# Altium PCB PCB1.PcbDoc (part 2 of 2)
Units mm, origin at the board's own origin, x right, y up, seen from the top; angles counter-clockwise.
Board outline 100.02 x 88.6 mm, 2 copper layers (Top Layer, Bottom Layer); 204 components, 155 nets, 587 pads, 167 vias.
Unrouted connection lines stored in the file: 67.
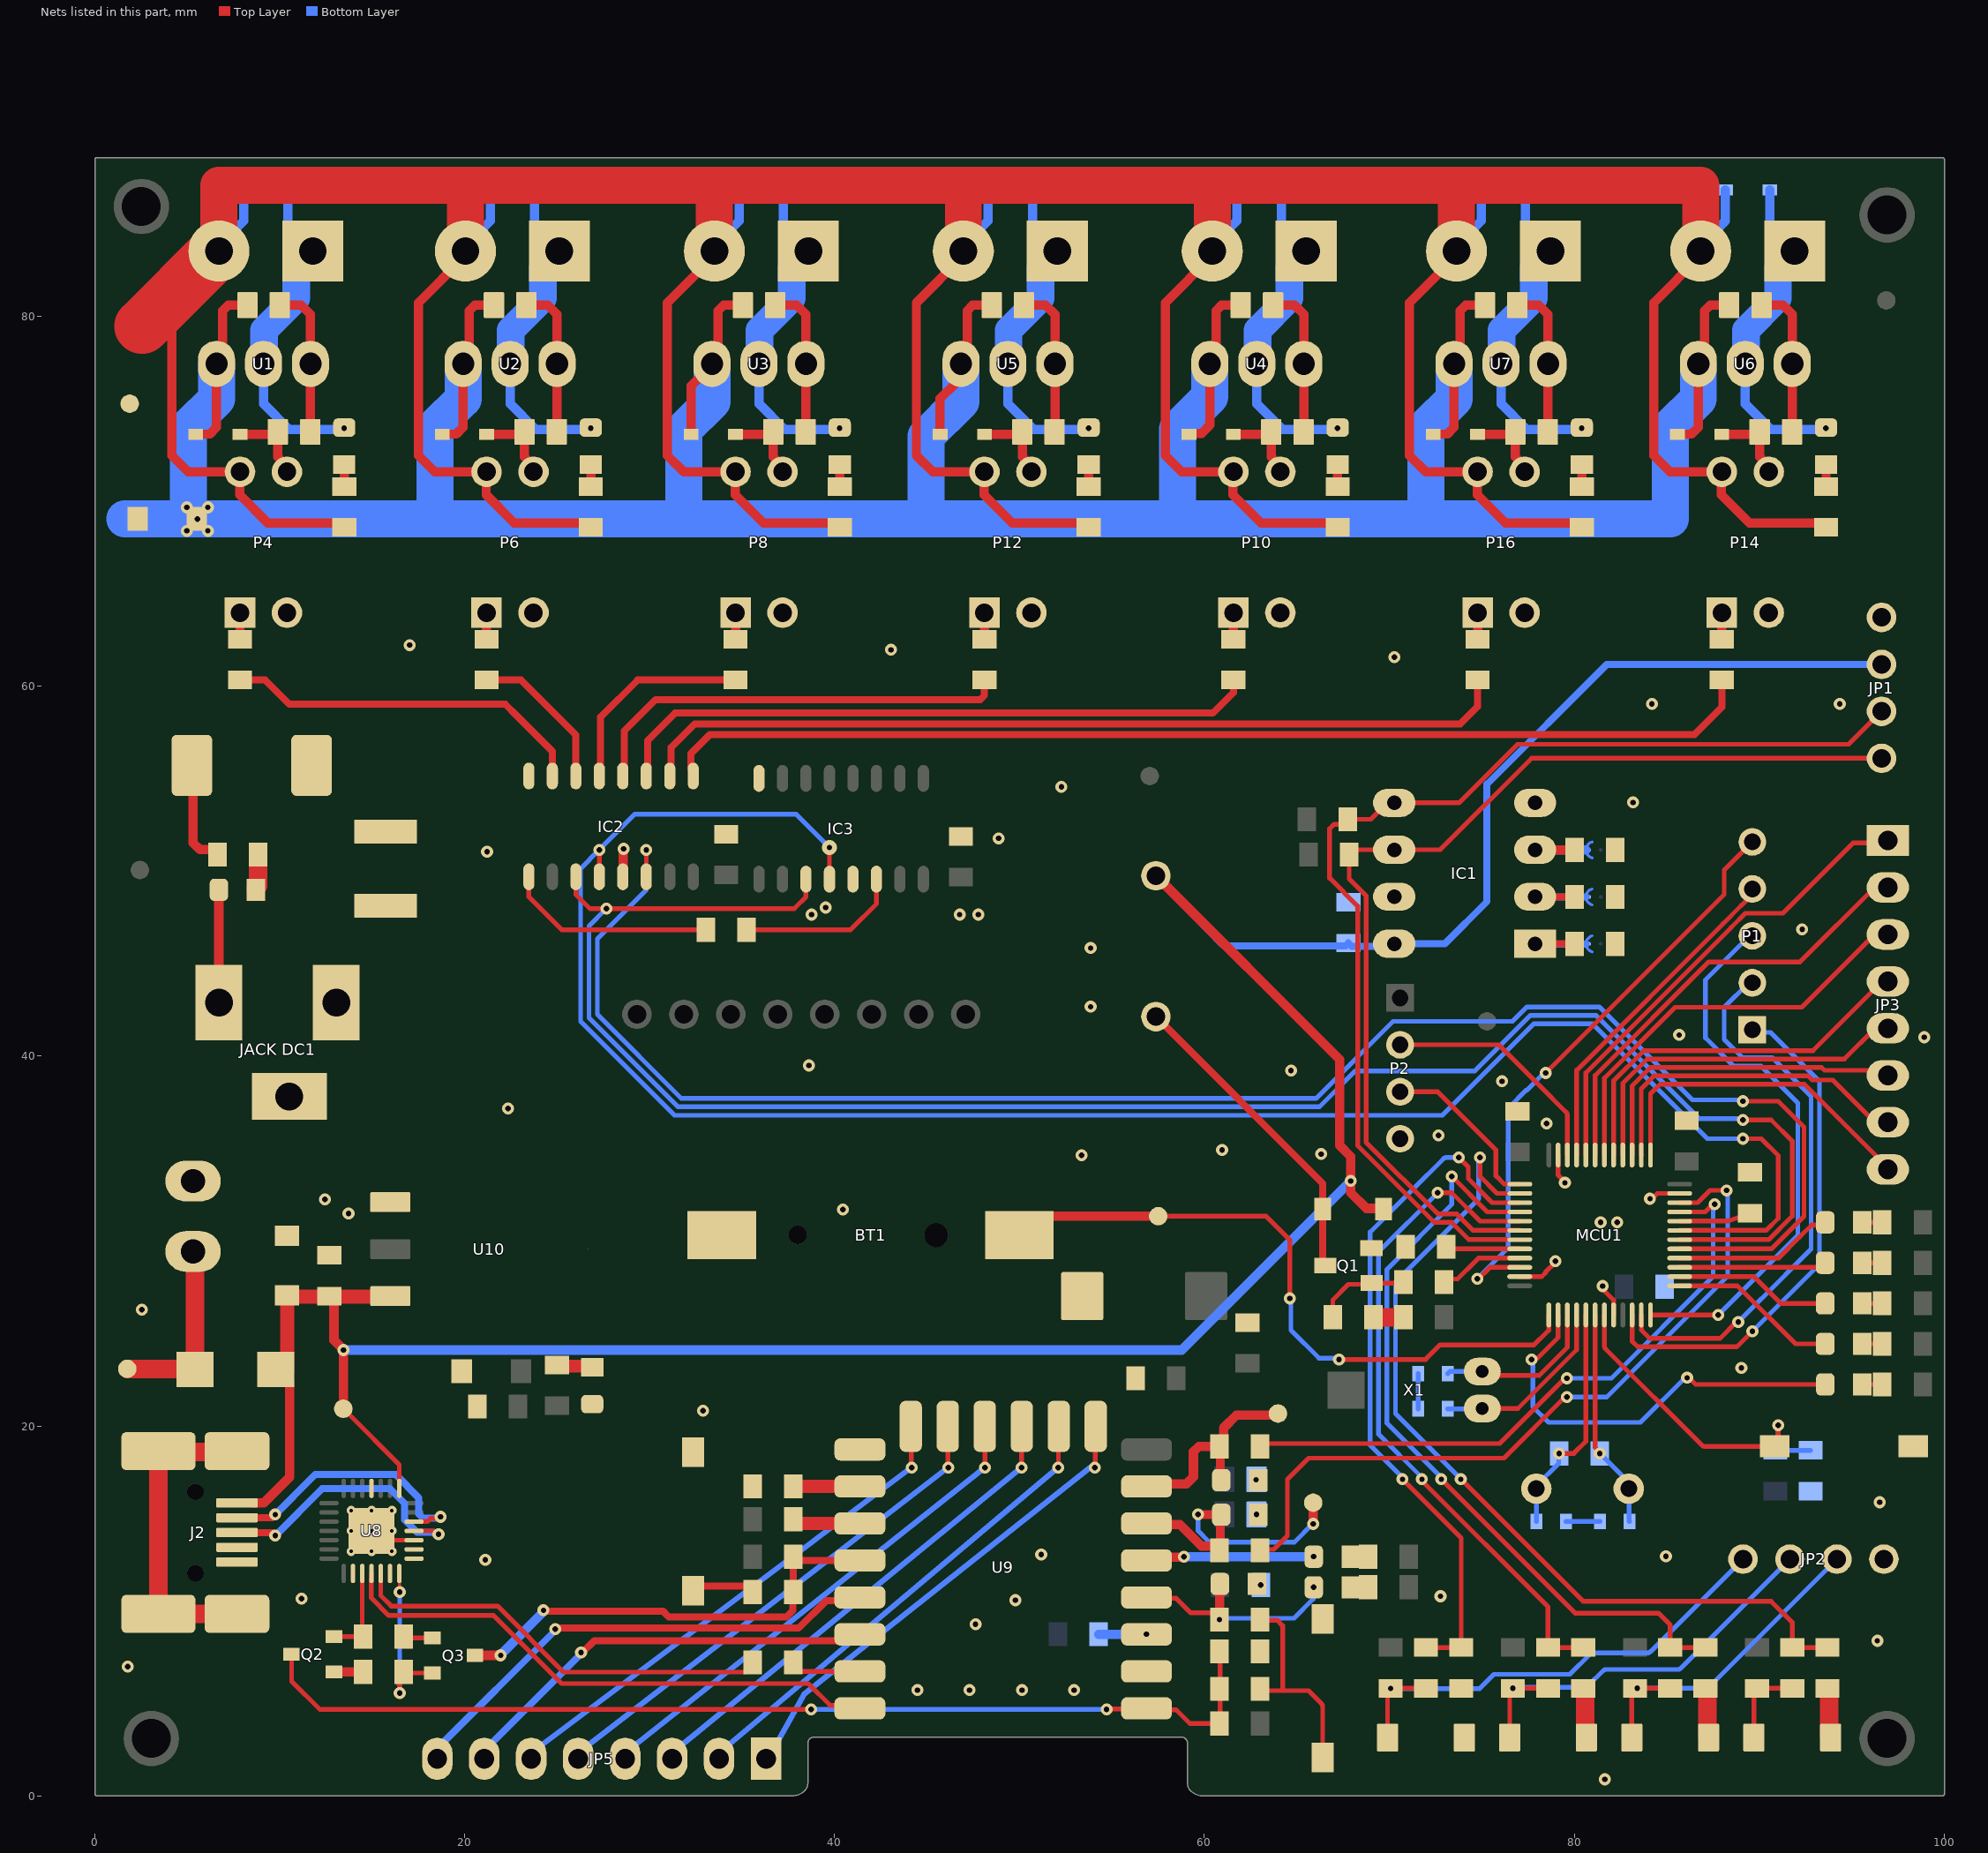
[diagram p2: the nets of this part, all layers, seen from the top]

## Via types
v1: diameter 0.65, hole 0.3, Top Layer to Bottom Layer, tented both sides, 145 vias
v2: diameter 1, hole 0.5, Top Layer to Bottom Layer, 12 vias
v3: diameter 0.5, hole 0.2, Top Layer to Bottom Layer, tented both sides, 9 vias
v4: diameter 0.8/0.8 (per signal layer), hole 0.3, Top Layer to Bottom Layer, tented both sides, 1 vias

## Nets (pads, with @x,y where several pads share a name; then routed paths per layer and width w, separated by ;. In a path a pad name is that pad's centre, name@x,y a point inside that pad or via, vN(x,y) a via of type N, cw(c..) or ccw(c..) an arc to the next point about the centre after c; other vN are vias at no path point) (continued)
+12: C25.1 D2.2 D3.2 D6.2 D8.2 D10.2 D12.2 D13.2 D17.2 J8.1 P3.2 P4.4 P5.2 P6.4 P7.2 P8.4 P9.2 P10.4 P11.2 P12.4 P13.2 P14.4 P15.2 P16.4 R27.2 R30.2 R35.2 R39.2 R44.2 R47.2 R50.2 R73.2 | length 308
  Top Layer w0.5: D17.2@5.244,55.726 5.307,55.663 5.307,51.535 5.676,51.167 6.37,51.167 6.62,50.917 R73.2@6.62,50.9 ; P3.2@6.704,83.539 6.704,83.285 4.164,80.745 4.164,72.49 5.053,71.601 P4.4@7.847,71.601 7.826,71.58 7.826,70.353 9.349,68.829 R27.2@13.485,68.829 ; P5.2@20.039,83.285 17.499,80.745 17.499,72.49 18.388,71.601 P6.4@21.182,71.601 21.161,71.58 21.161,70.353 22.684,68.829 R30.2@26.82,68.829 ; P7.2@33.501,83.285 30.961,80.745 30.961,72.49 31.85,71.601 P8.4@34.644,71.601 34.623,71.58 34.623,70.353 36.146,68.829 R35.2@40.282,68.829 ; P11.2@46.963,83.285 44.423,80.745 44.423,72.49 45.312,71.601 P12.4@48.106,71.601 48.085,71.58 48.085,70.353 49.608,68.829 R44.2@53.744,68.829 ; P9.2@60.425,83.285 57.885,80.745 57.885,72.49 58.774,71.601 P10.4@61.568,71.601 61.547,71.58 61.547,70.353 63.07,68.829 R39.2@67.206,68.829 ; P15.2@73.633,83.285 71.093,80.745 71.093,72.49 71.982,71.601 P16.4@74.776,71.601 74.755,71.58 74.755,70.353 76.278,68.829 R50.2@80.414,68.829 ; P13.2@86.841,83.285 84.301,80.745 84.301,72.49 85.19,71.601 P14.4@87.984,71.601 87.963,71.58 87.963,70.353 89.486,68.829 R47.2@93.622,68.829
  Top Layer w2: P3.2@6.704,83.539 6.704,87.095 20.039,87.095 ; P5.2@20.039,83.539 20.039,87.095 ; P7.2@33.501,83.539 33.501,87.095 ; P11.2@46.963,83.539 46.963,87.095 ; P9.2@60.425,83.539 60.425,87.095 ; P15.2@73.633,83.539 73.633,87.095 ; P13.2@86.841,83.539 86.841,87.095 73.633,87.095 ; 20.039,87.095 33.501,87.095 ; 33.501,87.095 46.963,87.095 ; 46.963,87.095 60.425,87.095 ; 60.425,87.095 73.633,87.095
  Top Layer w3: 2.558,79.475 6.622,83.539 P3.2@6.704,83.539
  Bottom Layer w0.5: P3.2@6.704,83.539 6.704,83.841 8.044,85.181 D2.2@8.044,86.841 ; P5.2@20.039,83.539 20.039,83.841 21.379,85.181 D3.2@21.379,86.841 ; P7.2@33.501,83.539 33.501,83.841 34.841,85.181 D6.2@34.841,86.841 ; P11.2@46.963,83.539 46.963,83.841 48.303,85.181 D10.2@48.303,86.841 ; P9.2@60.425,83.539 60.425,83.841 61.765,85.181 D8.2@61.765,86.841 ; P15.2@73.633,83.539 73.633,83.841 74.973,85.181 D13.2@74.973,86.841 ; P13.2@86.841,83.539 86.841,83.841 88.181,85.181 D12.2@88.181,86.841
ACTIVE: U8.11
ADC: U9.2
BT1: C8.1 MCU1.39 R22.2 | length 37.5
  Top Layer w0.254: v1(70.712,17.118) 73.057,14.773 73.887,13.943 73.887,12.77 C8.1@73.887,8.015 R22.2@71.982,8.015 ; v1(73.76,34.517) 74.268,34.009 74.268,33.374 75.566,32.076 MCU1.39@77.055,32.076
  Bottom Layer w0.254: v1(70.712,17.118) 70.712,17.215 68.969,18.958 68.969,30.488 71.294,32.814 72.923,34.442 cw(c73.103,34.263) 73.102,34.517 73.103,34.517 v1(73.76,34.517)
BT2: C14.1 MCU1.41 R25.2 | length 36.6
  Top Layer w0.254: v1@71.732,17.068 78.586,10.214 R25.2@78.586,8.015 C14.1@80.491,8.015 ; v1(72.617,32.612) 73.379,32.612 74.915,31.076 MCU1.41@77.055,31.076
  Bottom Layer w0.254: v1@71.705,17.106 71.705,17.272 69.423,19.554 69.423,29.418 v1(72.617,32.612)
  other v1: 71.763,17.118
BT3: C7.1 MCU1.40 R21.2 | length 42.4
  Top Layer w0.254: v1(72.813,17.118) 80.052,9.879 84.555,9.879 85.024,9.41 85.026,9.409 85.19,9.244 85.19,9.012 R21.2@85.19,8.015 C7.1@87.095,8.015 ; v1(73.379,33.501) 75.304,31.576 MCU1.40@77.055,31.576
  Bottom Layer w0.254: v1@72.745,16.993 72.745,17.283 69.877,20.151 69.877,28.475 73.379,31.977 v1(73.379,33.501)
BT_USER: C15.1 MCU1.38 R26.2 | length 48.6
  Top Layer w0.254: v1@73.991,17.014 80.491,10.514 90.651,10.514 91.719,9.447 91.794,9.371 91.794,9.266 R26.2@91.794,8.015 C15.1@93.699,8.015 ; v1(74.903,34.517) 74.903,33.501 75.828,32.576 MCU1.38@77.055,32.576
  Bottom Layer w0.254: v1@73.887,17.118 73.254,17.751 73.254,17.757 73.03,17.981 73.024,17.981 70.331,20.674 70.331,27.786 74.835,32.29 74.835,34.449 v1(74.903,34.517)
  other v1: 73.864,17.118
BUZZER: MCU1.45 R14.2 | length 4.6
  Top Layer w0.254: R14.2@72.955,27.786 73.115,27.946 73.687,27.946 74.668,28.927 74.669,28.928 74.818,29.076 75.028,29.076 MCU1.45@77.055,29.076
CLK: IC2.11 IC3.11 MCU1.18 | length 103.9
  Top Layer w0.254: IC2.11@26.008,49.699 26.008,48.741 26.77,47.979 v1(27.659,47.979) 37.819,47.979 38.454,48.614 IC3.11@38.454,49.572 ; MCU1.18@85.705,30.076 90.521,30.076 91.794,31.349 91.794,35.406 90.651,36.549 v1(89.127,36.549)
  Bottom Layer w0.254: v1(27.659,47.979) 26.716,47.036 26.716,42.071 31.53,37.257 66.22,37.257 68.167,39.204 74.63,39.204 77.636,42.21 81.173,42.21 86.766,36.617 89.059,36.617 v1(89.127,36.549)
CTS: U8.23
D_N: J2.2 U8.5 | length 14.8
  Top Layer w0.152: v1@18.588,15.086 v1(18.697,15.086) v1@18.609,14.998
  Top Layer w0.254: U8.5@17.626,14.832 17.979,14.832 18.145,14.998 v1@18.609,14.998
  Top Layer w0.381: J2.2@7.708,15.062 J2.2@7.684,15.038 9.581,15.038 v1(9.752,15.21)
  Bottom Layer w0.381: v1(9.752,15.21) 11.724,17.182 11.915,17.372 16.263,17.372 17.516,16.12 17.516,15.242 17.739,15.019 18.448,15.019 18.471,15.042 18.653,15.042 v1(18.697,15.086)
D_P: J2.3 U8.4 | length 15
  Top Layer w0.254: U8.4@17.259,14.324 17.261,14.322 18.308,14.322 18.488,14.143 v1(18.584,14.143)
  Top Layer w0.381: J2.3@7.684,14.238 9.581,14.238 v1(9.752,14.067)
  Bottom Layer w0.381: v1(9.752,14.067) 12.296,16.61 15.947,16.61 16.754,15.804 16.754,14.926 17.423,14.257 18.286,14.257 18.357,14.186 18.54,14.186 v1(18.584,14.143)
DATA: IC2.14 MCU1.17 | length 96.2
  Top Layer w0.254: IC2.14@29.818,49.068 IC2.14@29.818,49.699 v1(29.818,51.154) ; MCU1.17@85.705,29.576 90.663,29.576 92.429,31.342 92.429,36.168 91.032,37.565 v1(89.127,37.565)
  Bottom Layer w0.254: v1(29.818,51.154) 29.818,48.995 27.17,46.347 27.17,42.259 31.718,37.711 66.032,37.711 70.204,41.883 76.667,41.883 77.448,42.664 81.361,42.664 86.392,37.633 89.059,37.633 v1(89.127,37.565)
DCD: U8.1
DSR: U8.27
DTR: Q3.2 R56.2 U8.28 | length 9.8
  Top Layer w0.152: U8.28@16.459,12.024 16.471,12.012 16.471,11.034 v1(16.483,11.022)
  Top Layer w0.254: R56.2@16.415,6.059 16.415,6.425 R56.2@16.694,6.704 ; v1(16.483,5.561) 16.483,6.181 16.773,6.471 16.895,6.471 17.067,6.643 Q3.2@18.254,6.643
  Bottom Layer w0.254: v1(16.483,5.561) v1(16.483,11.022)
EN: R65.2 U9.3 | length 2.6
  Bottom Layer w0.508: R65.2@54.286,8.736 v1(56.869,8.736)
GND: BT1.2 C1.1 C2.1 C3.1 C4.1 C5.1 C6.2 C7.2 C8.2 C9.1 C10.1 C11.1 C12.1 C13.1 C14.2 C15.2 C16.2 C17.2 C18.1 C19.1 C20.2 C21.2 C22.2 C23.2 C24.2 IC1.4 IC1.7 IC2.8 IC2.13 IC3.8 IC3.13 J2.4 J2.5 J2.MH1 J2.MH2 J2.MH3 J2.MH4 JP1.4 JP2.4 L18.2 MCU1.8 MCU1.23 MCU1.35 MCU1.47 P2.4 P4.2 P6.2 P8.2 P10.2 P12.2 P14.2 P16.2 P17.2 Q1.3 R8.1 R9.1 R10.1 R12.2 R15.2 R18.1 R67.1 SW1.2 SW2.2 SW3.2 SW4.2 SW5.2 SW6.1 SW7.1 U8.3 U8.29 U9.15 U10.1 | length 46.9
  Top Layer w0.152: MCU1.8@82.128,26.003 MCU1.8@82.13,26.001
  Top Layer w0.254: v3(14.959,14.324) 15.459,13.824 U8.3@17.259,13.824 ; MCU1.47@77.055,28.076 77.057,28.078 78.243,28.078 78.456,28.291 78.456,28.322 78.967,28.833 v1@78.967,28.929 ; MCU1.35@79.13,34.651 79.132,34.649 79.132,33.56 79.475,33.217 v1@79.475,33.12 ; v1@81.507,27.532 81.507,27.436 82.128,26.815 MCU1.8@82.128,26.003 ; v1@84.074,32.258 84.181,32.258 84.498,32.574 85.703,32.574 MCU1.23@85.705,32.576
  Top Layer w0.508: J2.MH4@3.434,18.638 J2.MH3@7.684,18.638 ; IC2.13@28.548,49.699 28.562,49.713 28.562,51.168 v1@28.575,51.181
  Top Layer w1: J2.MH4@3.434,18.638 J2.MH1@3.434,9.838 J2.MH2@7.684,9.838 ; J2.MH4@3.438,18.601 J2.MH3@7.688,18.601 ; R15.2@69.145,25.881 C9.1@70.755,25.881 ; C14.2@80.491,5.815 80.59,5.815 80.59,3.22 SW4.2@80.661,3.148 SW4.2@80.618,3.105 ; C7.2@87.095,5.815 87.194,5.815 87.194,3.22 SW2.2@87.265,3.148 ; C15.2@93.699,5.815 93.798,5.815 93.798,3.22 SW5.2@93.869,3.148
  Bottom Layer w0.254: C3.1@71.563,20.928 C2.1@71.563,22.833 ; C4.1@79.56,14.832 C5.1@81.389,14.832
  other v1: 81.661,0.889 44.477,5.715 47.304,5.715 50.132,5.715 52.959,5.715 1.778,6.985 96.393,8.382 47.625,9.271 49.781,10.575 11.176,10.668 72.771,10.795 21.11,12.759 84.963,12.954 51.175,13.044 96.52,15.875 32.893,20.828 89.041,23.142 2.54,26.289 81.531,27.564 78.991,28.913 81.43,31.02 82.319,31.02 13.716,31.496 40.456,31.701 12.446,32.258 84.097,32.29 79.499,33.152 53.355,34.647 66.317,34.703 60.96,34.925 72.667,35.719 78.509,36.354 22.342,37.174 76.096,38.64 64.685,39.219 38.608,39.497 98.933,41.021 85.678,41.146 53.848,42.672 53.848,45.847 92.329,46.863 38.758,47.657 46.765,47.657 47.775,47.657 39.52,48.038 21.209,51.054 28.598,51.213 48.87,51.778 83.185,53.721 52.27,54.567 84.201,59.055 94.361,59.055 70.277,61.584 43.053,61.976 17.018,62.23
  other v3: 13.859,13.224 14.959,13.224 16.059,13.224 13.859,14.324 16.059,14.324 13.859,15.424 14.959,15.424 16.059,15.424
GPIO0: Q3.3 R62.2 R63.2 U9.18 | length 25
  Top Layer w0.381: v1(24.257,10.033) 24.308,9.982 30.724,9.982 31.045,9.661 37.391,9.661 37.754,10.024 37.754,11 R62.2@37.776,11.022 R63.2@37.776,12.728 ; R63.2@37.776,12.878 37.926,12.728 U9.18@41.372,12.728
  Top Layer w0.508: Q3.3@20.554,7.593 v1(21.944,7.593)
  Bottom Layer w0.508: v1(21.944,7.593) 21.944,7.632 24.23,9.918 24.23,10.006 v1(24.257,10.033)
GPIO2: R64.2 U9.17 | length 3.7
  Top Layer w0.7: R64.2@37.776,14.959 37.776,14.878 37.926,14.728 U9.17@41.372,14.728
GPIO4: JP5.8 U9.19 | length 26.8
  Top Layer w0.381: v1(24.892,9.017) 24.938,9.063 38.059,9.063 39.552,10.556 41.2,10.556 U9.19@41.372,10.728
  Bottom Layer w0.381: JP5.8@18.515,2.005 18.515,2.567 24.892,8.944 v1(24.892,9.017)
GPIO5: JP5.7 U9.20 | length 23.4
  Top Layer w0.381: v1(26.289,7.747) 26.362,7.747 27.001,8.386 41.03,8.386 U9.20@41.372,8.728
  Bottom Layer w0.381: JP5.7@21.055,2.005 21.055,2.44 26.289,7.674 v1(26.289,7.747)
GPIO14: L15.2 U9.5 | length 9.1
  Top Layer w0.508: U9.5@56.872,12.728 57.052,12.908 58.882,12.908 v1(58.901,12.927)
  Bottom Layer w0.508: v1(58.901,12.927) 58.905,12.932 65.904,12.932 v1(65.908,12.936)
GPIO15: R67.2 U9.16 | length 3.6
  Top Layer w0.7: R67.2@37.776,16.737 37.781,16.733 41.368,16.733 U9.16@41.372,16.728
GPIO16: L13.2 L14.2 R60.2 U9.4 | length 12.3
  Top Layer w0.254: U9.4@56.872,10.728 56.918,10.682 58.479,10.682 59.271,9.89 R60.2@60.838,9.89
  Top Layer w0.5: R60.2@60.838,9.89 L13.2@60.838,11.453 L13.2@60.838,11.657
  Bottom Layer w0.254: v1(60.811,9.53) 60.88,9.598 64.843,9.598 65.886,10.641 65.886,11.263 v1(65.908,11.285)
IO_9: JP5.1 U9.9 | length 26.3
  Top Layer w0.254: v1(54.075,17.753) 54.099,17.777 54.099,19.955 U9.9@54.122,19.978
  Bottom Layer w0.305: JP5.1@36.295,2.005 36.968,2.996 38.347,5.489 38.349,5.491 53.859,17.778 v1(54.075,17.753)
IO_10: JP5.2 U9.10 | length 26.5
  Top Layer w0.254: v1(52.094,17.753) 52.108,17.767 52.108,19.964 U9.10@52.122,19.978
  Bottom Layer w0.305: JP5.2@33.755,2.005 33.755,2.323 v1(52.094,17.753)
IO_11: JP5.3 U9.11 | length 26.9
  Top Layer w0.254: v1(50.113,17.753) 50.117,17.758 50.117,19.974 U9.11@50.122,19.978
  Bottom Layer w0.305: JP5.3@31.215,2.005 31.215,2.323 v1(50.113,17.753)
IO_12: JP5.4 U9.12 | length 27.4
  Top Layer w0.254: U9.12@48.122,19.978 48.127,19.974 48.127,17.758 v1(48.131,17.753)
  Bottom Layer w0.305: JP5.4@28.675,2.005 28.675,2.323 v1(48.131,17.753)
IO_13: JP5.5 U9.13 | length 27.8
  Top Layer w0.254: U9.13@46.122,19.978 46.136,19.964 46.136,17.767 v1(46.15,17.753)
  Bottom Layer w0.305: JP5.5@26.135,2.005 26.135,2.323 v1(46.15,17.753)
IO_14: JP5.6 U9.14 | length 28.3
  Top Layer w0.254: U9.14@44.122,19.978 44.146,19.955 44.146,17.777 v1(44.169,17.753)
  Bottom Layer w0.305: JP5.6@23.595,2.005 23.595,2.323 v1(44.169,17.753)
K1: JP3.1 MCU1.32 | length 26
  Top Layer w0.254: MCU1.32@80.63,34.651 80.63,39.094 88.504,46.968 88.504,46.975 89.254,47.725 91.286,47.725 95.096,51.535 96.838,51.535 JP3.1@96.965,51.662
K2: JP3.2 MCU1.31 | length 24.3
  Top Layer w0.254: MCU1.31@81.13,34.651 81.13,38.952 87.276,45.098 92.217,45.098 96.242,49.122 JP3.2@96.965,49.122
K3: JP3.3 MCU1.30 | length 22.7
  Top Layer w0.254: MCU1.30@81.63,34.651 81.632,34.653 81.632,38.812 85.465,42.645 92.305,42.645 96.242,46.582 JP3.3@96.965,46.582
K4: JP3.4 MCU1.29 | length 21.1
  Top Layer w0.254: MCU1.29@82.13,34.651 82.13,38.668 83.759,40.297 88.726,40.297 88.727,40.296 90.543,40.296 90.544,40.297 92.912,40.297 96.658,44.042 JP3.4@96.965,44.042
K5: JP3.5 MCU1.28 | length 19.4
  Top Layer w0.254: MCU1.28@82.63,34.651 82.632,34.653 82.632,38.528 83.947,39.843 88.538,39.843 88.539,39.842 90.731,39.842 90.732,39.843 94.61,39.843 96.269,41.502 JP3.5@96.965,41.502
K6: JP3.6 MCU1.27 | length 18.2
  Top Layer w0.254: MCU1.27@83.13,34.651 83.13,38.384 84.135,39.389 88.35,39.389 88.351,39.388 90.919,39.388 90.92,39.389 93.381,39.389 93.541,39.23 96.697,39.23 JP3.6@96.965,38.962
K7: JP3.7 MCU1.26 | length 18.3
  Top Layer w0.254: MCU1.26@83.63,34.651 83.628,34.653 83.628,38.24 84.323,38.935 88.162,38.935 88.163,38.934 91.107,38.934 91.108,38.935 92.642,38.935 92.872,38.705 93.986,38.705 96.269,36.422 JP3.7@96.965,36.422
K8: JP3.8 MCU1.25 | length 17.8
  Top Layer w0.254: MCU1.25@84.128,35.199 84.128,37.96 84.65,38.481 87.974,38.481 87.975,38.48 91.295,38.48 91.296,38.481 92.454,38.481 96.965,33.97 JP3.8@96.965,33.882
LAT: IC2.12 IC3.12 MCU1.19 | length 107.7
  Top Layer w0.254: IC2.12@27.278,49.699 v1(27.278,51.154) ; IC3.12@39.724,49.572 v4(39.724,51.281) ; MCU1.19@85.705,30.576 90.379,30.576 91.032,31.229 91.032,34.623 90.121,35.533 v1(89.127,35.533)
  Bottom Layer w0.254: v4(39.724,51.281) 37.919,53.086 29.21,53.086 v1(27.278,51.154) 26.262,50.138 26.262,41.883 31.342,36.803 72.871,36.803 77.824,41.756 80.985,41.756 87.208,35.533 v1(89.127,35.533)
LED_BUTTON: L1.2 MCU1.2 | length 23
  Top Layer w0.254: v1(77.697,23.595) 77.765,23.663 78.019,23.663 79.128,24.772 79.128,25.999 MCU1.2@79.13,26.001 ; v1(86.106,22.606) 86.213,22.606 86.571,22.248 L1.2@93.58,22.248
  Bottom Layer w0.254: v1(77.697,23.595) 77.765,23.527 77.765,21.041 78.613,20.193 83.586,20.193 85.999,22.606 v1(86.106,22.606)
LED_KEY: L2.2 MCU1.14 | length 8.5
  Top Layer w0.254: MCU1.14@85.705,28.076 89.726,28.076 91.173,26.63 L2.2@93.574,26.63
LED_RESULT: L5.2 MCU1.15 | length 8
  Top Layer w0.254: MCU1.15@85.705,28.576 93.33,28.576 L5.2@93.574,28.821
LED_STATE: L3.2 MCU1.13 | length 9.2
  Top Layer w0.254: MCU1.13@85.705,27.576 88.829,27.576 91.966,24.439 L3.2@93.574,24.439
LED_USER: L4.2 MCU1.16 | length 8.7
  Top Layer w0.254: MCU1.16@85.705,29.076 91.052,29.076 92.2,30.224 92.848,30.872 93.441,30.872 L4.2@93.58,31.011
LOAD_1: IC2.1 R49.2 | length 60
  Top Layer w0.381: IC2.1@32.358,55.149 32.358,55.634 32.231,55.507 32.231,56.361 33.26,57.39 86.504,57.39 87.984,58.871 R49.2@87.984,60.566
LOAD_2: IC2.2 R53.2 | length 47.8
  Top Layer w0.381: IC2.2@31.088,55.149 31.13,55.191 31.13,55.771 31.16,55.801 31.16,56.687 32.444,57.971 73.846,57.971 74.776,58.901 R53.2@74.776,60.566
LOAD_3: IC2.3 R41.2 | length 35.6
  Top Layer w0.381: IC2.3@29.818,55.149 29.89,55.221 29.89,57.068 31.374,58.552 60.457,58.552 61.568,59.663 R41.2@61.568,60.566
LOAD_4: IC2.4 R45.2 | length 23.8
  Top Layer w0.381: IC2.4@28.548,55.149 28.62,55.221 28.62,57.576 30.326,59.282 47.883,59.282 48.106,59.506 R45.2@48.106,60.566
LOAD_5: IC2.5 R36.2 | length 11.3
  Top Layer w0.381: IC2.5@27.278,55.149 27.35,55.221 27.35,58.338 29.353,60.341 R36.2@34.644,60.341
LOAD_6: IC2.6 R32.2 | length 8.3
  Top Layer w0.381: R32.2@21.182,60.341 23.044,60.341 26.008,57.377 IC2.6@26.008,55.149
LOAD_7: IC2.7 R28.2 | length 19.8
  Top Layer w0.381: R28.2@7.847,60.341 9.201,60.341 10.514,59.028 22.198,59.028 22.829,58.397 24.738,56.488 IC2.7@24.738,55.149
NetBT1_1: BT1.1 J1.1 MCU1.1 | length 36.6
  Top Layer w0.254: J1.1@57.504,31.342 63.346,31.342 64.616,30.072 v1(64.616,26.897) ; v1(67.283,23.595) 71.963,23.595 72.752,24.384 77.829,24.384 78.481,25.036 78.63,25.185 MCU1.1@78.63,26.001
  Top Layer w0.508: BT1.1@50.002,30.326 51.018,31.342 J1.1@57.504,31.342
  Bottom Layer w0.254: v1(64.616,26.897) 64.684,26.829 64.684,25.178 66.199,23.663 67.215,23.663 v1(67.283,23.595)
NetC2_2: C2.2 MCU1.3 X1.2 | length 8.4
  Top Layer w0.254: X1.2@75.03,22.944 75.241,22.733 78.105,22.733 79.63,24.258 MCU1.3@79.63,25.453
  Bottom Layer w0.254: C2.2@73.163,22.833 73.274,22.944 X1.2@75.03,22.944
NetC3_2: C3.2 MCU1.4 X1.1 | length 9.6
  Top Layer w0.254: X1.1@75.03,20.944 76.958,20.944 80.13,24.116 MCU1.4@80.13,25.453
  Bottom Layer w0.254: C3.2@73.163,20.928 75.014,20.928 X1.1@75.03,20.944
NetC4_2: C4.2 MCU1.5 R11.2 X2.2 | length 12.8
  Top Layer w0.254: v1(79.184,18.515) 79.983,18.515 80.63,19.162 80.63,20.095 MCU1.5@80.63,26.001
  Bottom Layer w0.254: C4.2@77.96,14.832 77.956,14.837 77.956,16.606 X2.2@77.951,16.61 77.951,16.767 79.165,17.981 79.165,18.496 v1(79.184,18.515)
NetC5_2: C5.2 MCU1.6 R11.1 X2.1 | length 11.9
  Top Layer w0.254: MCU1.6@81.13,26.001 81.13,19.328 81.13,18.842 81.384,18.588 v1(81.384,18.515)
  Bottom Layer w0.254: v1(81.384,18.515) 82.951,16.948 X2.1@82.951,16.61 82.97,16.591 82.97,14.851 C5.2@82.989,14.832
NetC6_1: C6.1 MCU1.7 R13.1 SW1.1 | length 17.8
  Top Layer w0.254: MCU1.7@81.63,26.001 81.63,24.338 ccw(c81.884,24.34) 81.703,24.161 86.894,18.971 ccw(c87.073,19.15) 87.073,18.896 SW1.1@90.838,18.896 91.032,19.09 v1(91.032,20.039)
  Bottom Layer w0.254: R13.1@90.884,18.68 91.032,18.828 v1(91.032,20.039) ; R13.1@90.973,19.053 91.346,18.68 91.375,18.68 C6.1@92.789,18.68
NetD1_1: D1.1 LS1.2 Q1.2 | length 17.3
  Top Layer w0.381: LS1.2@57.377,42.137 66.405,33.109 D1.1@66.405,31.723 66.405,28.811 Q1.2@66.541,28.675
NetD2_1: D2.1 L6.2 P3.1 U1.2 | length 18.2
  Bottom Layer w0.5: U1.2@9.151,77.477 U1.2@9.117,77.443 9.117,75.284 10.514,73.887 13.399,73.887 v1(13.475,73.964) ; D2.1@10.444,86.841 10.444,84.879 P3.1@11.784,83.539
  Bottom Layer w1.5: U1.2@9.151,77.477 9.151,79.255 10.883,80.987 10.883,82.638 P3.1@11.784,83.539
NetD3_1: D3.1 L7.2 P5.1 U2.2 | length 18.2
  Bottom Layer w0.5: U2.2@22.486,77.477 U2.2@22.452,77.443 22.452,75.284 23.849,73.887 26.734,73.887 v1(26.81,73.964) ; D3.1@23.779,86.841 23.779,84.879 P5.1@25.119,83.539
  Bottom Layer w1.5: U2.2@22.486,77.477 22.486,79.255 24.218,80.987 24.218,82.638 P5.1@25.119,83.539
NetD4_2: D4.2 P4.3 R29.2 | length 4.5
  Top Layer w0.5: D4.2@7.847,73.633 9.766,73.633 R29.2@9.893,73.76 9.893,72.407 10.387,71.913 P4.3@10.387,71.601
NetD5_2: D5.2 P6.3 R33.2 | length 4.5
  Top Layer w0.5: D5.2@21.182,73.633 23.101,73.633 R33.2@23.228,73.76 23.228,72.407 23.722,71.913 P6.3@23.722,71.601
NetD6_1: D6.1 L8.2 P7.1 U3.2 | length 18.2
  Bottom Layer w0.5: U3.2@35.948,77.477 U3.2@35.914,77.443 35.914,75.284 37.311,73.887 40.196,73.887 v1(40.272,73.964) ; D6.1@37.241,86.841 37.241,84.879 P7.1@38.581,83.539
  Bottom Layer w1.5: U3.2@35.948,77.477 35.948,79.255 37.68,80.987 37.68,82.638 P7.1@38.581,83.539
NetD7_2: D7.2 P8.3 R37.2 | length 4.5
  Top Layer w0.5: D7.2@34.644,73.633 36.563,73.633 R37.2@36.69,73.76 36.69,72.407 37.184,71.913 P8.3@37.184,71.601
NetD8_1: D8.1 L9.2 P9.1 U4.2 | length 18.2
  Bottom Layer w0.5: U4.2@62.872,77.477 U4.2@62.838,77.443 62.838,75.284 64.235,73.887 67.12,73.887 v1(67.196,73.964) ; D8.1@64.165,86.841 64.165,84.879 P9.1@65.505,83.539
  Bottom Layer w1.5: U4.2@62.872,77.477 62.872,79.255 64.604,80.987 64.604,82.638 P9.1@65.505,83.539
NetD9_2: D9.2 P10.3 R42.2 | length 4.5
  Top Layer w0.5: D9.2@61.568,73.633 63.487,73.633 R42.2@63.614,73.76 63.614,72.407 64.108,71.913 P10.3@64.108,71.601
NetD10_1: D10.1 L10.2 P11.1 U5.2 | length 18.2
  Bottom Layer w0.5: U5.2@49.41,77.477 U5.2@49.376,77.443 49.376,75.284 50.773,73.887 53.658,73.887 v1(53.734,73.964) ; D10.1@50.703,86.841 50.703,84.879 P11.1@52.043,83.539
  Bottom Layer w1.5: U5.2@49.41,77.477 49.41,79.255 51.142,80.987 51.142,82.638 P11.1@52.043,83.539
NetD11_2: D11.2 P12.3 R46.2 | length 4.5
  Top Layer w0.5: D11.2@48.106,73.633 50.025,73.633 R46.2@50.152,73.76 50.152,72.407 50.646,71.913 P12.3@50.646,71.601
NetD12_1: D12.1 L11.2 P13.1 U6.2 | length 18.2
  Bottom Layer w0.5: U6.2@89.288,77.477 U6.2@89.254,77.443 89.254,75.284 90.651,73.887 93.536,73.887 v1(93.612,73.964) ; D12.1@90.581,86.841 90.581,84.879 P13.1@91.921,83.539
  Bottom Layer w1.5: U6.2@89.288,77.477 89.288,79.255 91.02,80.987 91.02,82.638 P13.1@91.921,83.539
NetD13_1: D13.1 L12.2 P15.1 U7.2 | length 18.2
  Bottom Layer w0.5: U7.2@76.08,77.477 U7.2@76.046,77.443 76.046,75.284 77.443,73.887 80.328,73.887 v1(80.404,73.964) ; D13.1@77.373,86.841 77.373,84.879 P15.1@78.713,83.539
  Bottom Layer w1.5: U7.2@76.08,77.477 76.08,79.255 77.812,80.987 77.812,82.638 P15.1@78.713,83.539
NetD14_2: D14.2 P14.3 R51.2 | length 4.5
  Top Layer w0.5: D14.2@87.984,73.633 89.903,73.633 R51.2@90.03,73.76 90.03,72.407 90.524,71.913 P14.3@90.524,71.601
NetD15_2: D15.2 P16.3 R54.2 | length 4.5
  Top Layer w0.5: D15.2@74.776,73.633 76.695,73.633 R54.2@76.822,73.76 76.822,72.407 77.316,71.913 P16.3@77.316,71.601
NetD16_1: D16.1 J5.1 P17.1 | length 9
  Top Layer w1: J5.1@1.751,23.087 5.383,23.087 D16.1@5.409,23.062 5.421,23.075 5.421,28.409 P17.1@5.434,28.421
NetD17_1: D17.1 F1.2
NetF1_1: "JACK DC1.1" F1.1
NetIC1_1: IC1.1 R8.2 SB1.2 | length 4.9
  Top Layer w0.381: IC1.1@77.886,46.081 77.892,46.074 R8.2@80.026,46.074
  Bottom Layer w0.381: IC1.1@77.886,46.081 77.899,46.068 80.639,46.068
NetIC1_2: IC1.2 R9.2 SB2.2 | length 4.9
  Top Layer w0.381: IC1.2@77.886,48.621 80.02,48.621 R9.2@80.026,48.614
  Bottom Layer w0.381: IC1.2@77.886,48.621 77.899,48.608 80.639,48.608
NetIC1_3: IC1.3 R10.2 SB3.1 | length 5.5
  Top Layer w0.381: IC1.3@77.886,51.161 IC1.3@78.457,51.161
  Top Layer w0.5: IC1.3@77.886,51.161 77.889,51.158 80.023,51.158 R10.2@80.026,51.154
  Bottom Layer w0.5: IC1.3@77.886,51.161 77.892,51.154 80.639,51.154
NetIC2_9: IC2.9 R40.1 | length 11.4
  Top Layer w0.254: IC2.9@23.468,49.699 23.468,48.614 25.246,46.836 R40.1@33.036,46.836
NetIC3_14: IC3.14 R40.2 | length 8.9
  Top Layer w0.254: R40.2@35.236,46.836 40.867,46.836 42.264,48.233 IC3.14@42.264,49.572
NetL1_1: L1.1 R1.1 | length 1.3
  Top Layer w0.254: L1.1@95.58,22.248 R1.1@96.884,22.248
NetL2_1: L2.1 R2.1 | length 1.3
  Top Layer w0.254: L2.1@95.574,26.63 R2.1@96.884,26.63
NetL3_1: L3.1 R3.1 | length 1.3
  Top Layer w0.254: L3.1@95.574,24.439 R3.1@96.884,24.439
NetL4_1: L4.1 R4.1 | length 1.3
  Top Layer w0.254: L4.1@95.58,31.011 R4.1@96.884,31.011
NetL5_1: L5.1 R5.1 | length 1.3
  Top Layer w0.254: L5.1@95.574,28.821 R5.1@96.884,28.821
NetL6_1: L6.1 R27.1 | length 1.4
  Top Layer w0.5: R27.1@13.485,70.579 L6.1@13.485,71.99
NetL7_1: L7.1 R30.1 | length 1.4
  Top Layer w0.5: R30.1@26.82,70.579 L7.1@26.82,71.99
NetL8_1: L8.1 R35.1 | length 1.4
  Top Layer w0.5: R35.1@40.282,70.579 L8.1@40.282,71.99
NetL9_1: L9.1 R39.1 | length 1.4
  Top Layer w0.5: R39.1@67.206,70.579 L9.1@67.206,71.99
NetL10_1: L10.1 R44.1 | length 1.4
  Top Layer w0.5: R44.1@53.744,70.579 L10.1@53.744,71.99
NetL11_1: L11.1 R47.1 | length 1.4
  Top Layer w0.5: R47.1@93.622,70.579 L11.1@93.622,71.99
NetL12_1: L12.1 R50.1 | length 1.4
  Top Layer w0.5: R50.1@80.414,70.579 L12.1@80.414,71.99
NetL13_1: L13.1 R57.1
  other v1: 63.049,11.403
NetL14_1: L14.1 R68.1 | length 1.2
  Top Layer w0.254: L14.1@67.918,11.276 R68.1@69.075,11.276
NetL15_1: L15.1 R69.1 | length 1.2
  Top Layer w0.254: L15.1@67.918,12.927 R69.1@69.075,12.927
NetL16_1: L16.1 R70.1
  other v1: 62.824,15.213
NetL17_1: L17.1 R71.1
  other v1: 62.797,17.091
NetL18_1: L18.1 R72.2 | length 2
  Top Layer w0.7: R72.2@24.992,23.298 25.05,23.24 26.839,23.24 L18.1@26.897,23.182
NetL19_1: L19.1 R73.1 | length 2
  Top Layer w1: L19.1@8.704,48.995 8.704,49.095 8.82,49.211 R73.1@8.82,50.9
NetMCU1_20: MCU1.20 R18.2 | length 3.9
  Top Layer w0.254: MCU1.20@85.705,31.076 86.251,31.076 86.263,31.088 88.281,31.088 ccw(c88.281,31.342) 88.367,31.103 R18.2@89.508,31.512
NetMCU1_21: MCU1.21 R16.2 | length 34.3
  Top Layer w0.254: R16.2@63.011,18.896 63.161,19.046 75.973,19.046 79.506,22.579 v1(79.602,22.579) ; MCU1.21@85.705,31.576 87.077,31.576 87.486,31.986 v1(87.593,31.986)
  Bottom Layer w0.254: v1(79.602,22.579) 82.015,22.579 87.518,28.082 87.518,31.91 v1(87.593,31.986)
NetMCU1_22: MCU1.22 R17.2 | length 40.7
  Top Layer w0.254: R17.2@63.011,13.277 63.06,13.325 63.744,13.325 64.489,14.07 64.489,17.118 65.632,18.261 76.204,18.261 79.506,21.563 v1(79.602,21.563) ; MCU1.22@85.705,32.076 86.681,32.076 87.344,32.739 v1(88.238,32.739)
  Bottom Layer w0.254: v1(79.602,21.563) 81.761,21.563 88.299,28.102 88.299,32.678 v1(88.238,32.739)
NetMCU1_34: MCU1.34 P2.2 | length 12.8
  Top Layer w0.254: P2.2@70.585,40.613 72.867,40.613 75.919,40.613 78.094,38.438 79.553,36.979 cw(c79.374,36.799) 79.628,36.8 ; 79.628,36.799 79.628,34.653 MCU1.34@79.63,34.651
NetMCU1_37: MCU1.37 P2.3 | length 9.4
  Top Layer w0.254: P2.3@70.585,38.073 72.617,38.073 75.769,34.922 75.769,33.525 76.215,33.078 76.862,33.078 77.053,33.078 MCU1.37@77.055,33.076
NetMCU1_44: MCU1.44 R12.1 | length 4
  Top Layer w0.254: R12.1@73.082,29.691 73.197,29.576 MCU1.44@77.055,29.576
NetP4_1: P4.1 R28.1 | length 1.7
  Top Layer w0.5: R28.1@7.847,62.316 P4.1@7.847,63.981
NetP6_1: P6.1 R32.1 | length 1.7
  Top Layer w0.5: R32.1@21.182,62.316 P6.1@21.182,63.981
NetP8_1: P8.1 R36.1 | length 1.7
  Top Layer w0.5: R36.1@34.644,62.316 P8.1@34.644,63.981
NetP10_1: P10.1 R41.1 | length 1.7
  Top Layer w0.5: R41.1@61.568,62.316 P10.1@61.568,63.981
NetP12_1: P12.1 R45.1 | length 1.7
  Top Layer w0.5: R45.1@48.106,62.316 P12.1@48.106,63.981
NetP14_1: P14.1 R49.1 | length 1.7
  Top Layer w0.5: R49.1@87.984,62.316 P14.1@87.984,63.981
NetP16_1: P16.1 R53.1 | length 1.7
  Top Layer w0.5: R53.1@74.776,62.316 P16.1@74.776,63.981
NetQ1_1: Q1.1 R14.1 R15.1 | length 5.2
  Top Layer w0.254: R15.1@66.945,25.881 66.945,26.813 67.791,27.659 68.721,27.659 68.848,27.532 Q1.1@69.041,27.725 70.59,27.725 R14.1@70.755,27.786
NetQ2_1: Q2.1 R56.1 | length 1.6
  Top Layer w0.508: Q2.1@12.927,6.704 R56.1@14.494,6.704
NetQ3_1: Q3.1 R58.1 | length 1.6
  Top Layer w0.254: R58.1@16.694,8.609 16.76,8.543 Q3.1@18.254,8.543
  Top Layer w0.508: Q3.1@18.221,8.576 Q3.1@18.254,8.543
NetR24_2: R24.2 R26.1 SW5.1 | length 4.6
  Top Layer w0.254: SW5.1@89.719,3.148 89.719,5.645 R24.2@89.889,5.815 R26.1@91.794,5.815
NetR29_1: R29.1 R31.2 U1.1 | length 8.2
  Top Layer w0.5: R31.2@9.992,80.618 11.149,80.618 11.657,80.11 U1.1@11.657,77.443 R29.1@11.657,73.774
NetR33_1: R33.1 R34.2 U2.1 | length 8.2
  Top Layer w0.5: R34.2@23.327,80.618 24.484,80.618 24.992,80.11 U2.1@24.992,77.443 R33.1@24.992,73.774
NetR37_1: R37.1 R38.2 U3.1 | length 8.2
  Top Layer w0.5: R38.2@36.789,80.618 37.946,80.618 38.454,80.11 U3.1@38.454,77.443 R37.1@38.454,73.774
NetR42_1: R42.1 R43.2 U4.1 | length 8.2
  Top Layer w0.5: R43.2@63.713,80.618 64.87,80.618 65.378,80.11 U4.1@65.378,77.443 R42.1@65.378,73.774
NetR46_1: R46.1 R48.2 U5.1 | length 8.2
  Top Layer w0.5: R48.2@50.251,80.618 51.408,80.618 51.916,80.11 U5.1@51.916,77.443 R46.1@51.916,73.774
NetR51_1: R51.1 R52.2 U6.1 | length 8.2
  Top Layer w0.5: R52.2@90.129,80.618 91.286,80.618 91.794,80.11 U6.1@91.794,77.443 R51.1@91.794,73.774
NetR54_1: R54.1 R55.2 U7.1 | length 8.2
  Top Layer w0.5: R55.2@76.921,80.618 78.078,80.618 78.586,80.11 U7.1@78.586,77.443 R54.1@78.586,73.774
NetR59_1: R59.1 U8.26 | length 22.9
  Top Layer w0.254: U8.26@15.459,11.547 15.459,10.827 16.026,10.26 21.774,10.26 25.345,6.689 35.203,6.689 35.576,7.062 R59.1@35.576,7.212
NetR60_1: R60.1 R61.1 SW6.2 | length 11.3
  Top Layer w0.254: R60.1@63.043,9.498 63.938,9.498 64.235,9.201 64.235,5.794 ; R61.1@63.049,5.688 64.341,5.688 65.632,5.688 66.32,5.001 cw(c66.14,4.821) 66.394,4.821 SW6.2@66.394,2.065
  Top Layer w0.508: R60.1@63.011,9.53 R60.1@63.043,9.498
NetR62_1: R62.1 SW7.2 | length 3.5
  Top Layer w0.381: SW7.2@32.358,11.082 32.612,11.336 35.267,11.336 35.576,11.027 R62.1@35.576,11.022
nRST: C18.2 Q2.3 R61.2 R66.2 U9.1 | length 56.5
  Top Layer w0.254: Q2.3@10.627,7.654 10.641,7.64 10.641,6.196 12.165,4.672 v1(38.731,4.672) ; v1(54.71,4.672) 54.738,4.7 56.844,4.7 U9.1@56.872,4.728 56.953,4.648 58.479,4.648 59.217,3.91 60.849,3.91 C18.2@60.849,7.72
  Bottom Layer w0.254: v1(38.731,4.672) v1(54.71,4.672)
P_GND: "JACK DC1.2" "JACK DC1.3" C25.2 D4.1 D5.1 D7.1 D9.1 D11.1 D14.1 D15.1 L19.2 R31.1 R34.1 R38.1 R43.1 R48.1 R52.1 R55.1 U1.3 U2.3 U3.3 U4.3 U5.3 U6.3 U7.3 | length 215
  Top Layer w0.5: D4.1@5.447,73.633 5.453,73.639 6.202,73.639 6.577,74.014 U1.3@6.577,77.443 6.911,77.777 6.911,80.317 7.212,80.618 R31.1@8.242,80.618 ; D5.1@18.782,73.633 18.788,73.639 19.537,73.639 19.912,74.014 U2.3@19.912,77.443 20.246,77.777 20.246,80.317 20.547,80.618 R34.1@21.577,80.618 ; D7.1@32.25,73.639 32.25,76.257 33.374,77.381 U3.3@33.374,77.443 33.708,77.777 33.708,80.317 34.009,80.618 R38.1@35.039,80.618 ; D11.1@45.706,73.633 45.706,75.551 46.549,76.394 46.549,77.156 U5.3@46.836,77.443 47.17,77.777 47.17,80.317 47.471,80.618 R48.1@48.501,80.618 ; D9.1@59.168,73.633 59.218,73.683 59.84,73.683 60.298,74.141 U4.3@60.298,77.443 60.632,77.777 60.632,80.317 60.933,80.618 R43.1@61.963,80.618 ; D15.1@72.376,73.633 72.52,73.633 72.526,73.639 73.131,73.639 73.506,74.014 U7.3@73.506,77.443 73.84,77.777 73.84,80.317 74.141,80.618 R55.1@75.171,80.618 ; D14.1@85.584,73.633 85.59,73.639 86.339,73.639 86.714,74.014 U6.3@86.714,77.443 87.048,77.777 87.048,80.317 87.349,80.618 R52.1@88.379,80.618
  Top Layer w0.508: 6.704,42.899 L19.2@6.704,48.995
  Bottom Layer w2: 1.624,69.061 31.85,69.061 ; 5.053,69.188 5.053,74.014 6.577,75.538 U1.3@6.577,77.443 ; 18.388,69.442 18.388,74.014 19.912,75.538 U2.3@19.912,77.443 ; U3.3@33.374,77.443 33.374,75.411 31.85,73.887 31.85,69.061 ; 44.958,69.061 44.958,73.533 46.836,75.411 U5.3@46.836,77.443 ; U4.3@60.298,77.443 60.298,75.665 58.547,73.914 58.547,69.061 ; 71.982,69.86 71.982,74.014 73.506,75.538 U7.3@73.506,77.443 ; U6.3@86.714,77.443 86.714,75.538 85.19,74.014 85.19,69.061 71.982,69.061 58.774,69.061 58.547,69.061 ; 31.85,69.061 44.196,69.061 58.547,69.061
  other v1: 4.965,68.408 6.108,68.408 5.549,69.043 4.965,69.678 6.108,69.678
PA0: MCU1.10 P1.1 | length 28.2
  Top Layer w0.254: MCU1.10@83.13,26.001 83.132,25.999 83.132,24.591 83.439,24.284 88.8,24.284 v1(89.635,25.119)
  Bottom Layer w0.254: v1(89.635,25.119) 93.264,28.748 93.264,38.635 90.617,41.282 89.78,41.282 P1.1@89.635,41.427
PA1: MCU1.11 P1.2 | length 30.5
  Top Layer w0.254: MCU1.11@83.63,26.001 83.63,25.19 84.082,24.738 87.888,24.738 88.777,25.627 v1(88.873,25.627)
  Bottom Layer w0.254: v1(88.873,25.627) 91.469,28.223 91.478,28.233 92.81,29.564 92.81,31.448 92.81,37.819 90.705,39.924 89.099,39.924 88.111,40.912 88.111,42.645 89.433,43.967 P1.2@89.635,43.967 ; P1.2@89.635,44.423 P1.2@89.933,44.423
PA2: MCU1.12 P1.3 | length 30.1
  Top Layer w0.254: MCU1.12@84.132,25.999 v1@87.785,25.999
  Bottom Layer w0.254: v1(87.794,26.008) 92.099,30.314 92.099,37.468 90.097,39.47 88.619,39.47 87.095,40.994 87.095,44.125 P1.3@89.635,46.665
PA12: MCU1.33 P1.4 | length 18.3
  Top Layer w0.254: MCU1.33@80.13,34.651 80.132,34.653 80.132,39.238 88.05,47.156 88.05,47.163 89.029,48.143 89.036,48.143 89.635,48.741 P1.4@89.635,49.047
PB9: MCU1.46 P1.5 | length 32.4
  Top Layer w0.254: v1@74.776,27.913 75.439,28.576 MCU1.46@77.055,28.576 ; v1(78.459,39.089) 88.111,48.741 88.111,50.063 P1.5@89.635,51.587
  Bottom Layer w0.254: v1(74.761,27.966) 76.353,29.557 ccw(c76.173,29.737) 76.427,29.737 76.427,37.079 cw(c76.681,37.079) 76.501,37.259 77.383,38.14 77.414,38.14 78.363,39.089 v1(78.459,39.089)
RI: U8.2
RTS: Q2.2 R58.2 U8.24 | length 5
  Top Layer w0.254: Q2.2@12.927,8.604 14.489,8.604 R58.2@14.494,8.609 14.459,8.644 U8.24@14.459,12.024
RX_3: J4.1 L17.2 R16.1 U9.7 | length 11.9
  Top Layer w0.5: R16.1@60.811,18.896 60.862,18.846 60.862,17.124 L17.2@60.913,17.073
  Top Layer w0.508: U9.7@56.872,16.728 57.008,16.864 59.028,16.864 59.409,17.245 59.409,18.599 59.707,18.896 R16.1@60.811,18.896 61.034,19.118 61.034,19.886 61.728,20.58 63.887,20.58 J4.1@63.981,20.674
RXD0: R59.2 U9.21 | length 3.9
  Top Layer w0.254: R59.2@37.776,7.212 37.776,7.101 38.149,6.728 U9.21@41.372,6.728
SCL_1: IC1.6 JP1.1 MCU1.42 R6.1 | length 57.2
  Top Layer w0.254: MCU1.42@77.055,30.576 74.526,30.576 73.633,31.469 72.624,31.469 68.742,35.351 68.742,48.679 67.832,49.589 R6.1@67.832,50.9 68.092,51.161 IC1.6@70.266,51.161 72.75,51.161 77.697,56.107 JP1.1@96.62,56.107
SDA_1: IC1.5 JP1.2 MCU1.43 R7.1 | length 60.6
  Top Layer w0.254: MCU1.43@76.507,30.076 74.31,30.076 73.371,31.015 72.436,31.015 68.288,35.163 68.288,48.117 66.775,49.63 66.775,52.297 67.016,52.538 67.481,52.538 R7.1@67.748,52.805 68.99,52.805 69.885,53.701 IC1.5@70.266,53.701 73.766,53.701 76.935,56.869 94.842,56.869 JP1.2@96.62,58.647
SW1: JP2.1 R20.2 R22.1 SW3.1 | length 26.2
  Top Layer w0.254: SW3.1@69.907,3.148 R20.2@69.907,5.518 ; R20.2@70.077,5.815 R22.1@71.982,5.815
  Bottom Layer w0.254: v1(70.077,5.801) 74.889,5.801 75.654,6.567 79.764,6.567 80.844,7.646 cw(c81.023,7.466) 81.023,7.72 83.942,7.72 ccw(c83.942,7.974) 84.121,7.795 JP2.1@89.127,12.8
SW2: JP2.2 R23.2 R25.1 SW4.1 | length 22.5
  Top Layer w0.254: SW4.1@76.511,3.148 76.511,5.645 v1(76.681,5.815) R25.1@78.586,5.815
  Bottom Layer w0.254: v1(76.681,5.815) 76.732,5.866 80.564,5.866 ccw(c80.564,6.12) 80.743,5.941 81.56,6.757 cw(c81.739,6.577) 81.739,6.831 85.593,6.831 ccw(c85.593,7.085) 85.772,6.906 JP2.2@91.667,12.8
SW3: JP2.3 R19.2 R21.1 SW2.1 | length 18.2
  Top Layer w0.254: SW2.1@83.115,3.148 83.115,5.645 R19.2@83.285,5.815 ; v1(83.412,5.815) R21.1@85.19,5.815
  Bottom Layer w0.254: v1(83.412,5.815) 87.117,5.815 ccw(c87.117,6.069) 87.296,5.89 JP2.3@94.207,12.8
TX_3: J3.1 L16.2 R17.1 U9.6 | length 16.7
  Top Layer w0.5: v1(59.663,15.213) 59.67,15.207 60.906,15.207 L16.2@60.913,15.2 60.862,15.149 60.862,13.327 R17.1@60.811,13.277 ; v1(65.886,14.705) J3.1@65.886,15.848
  Top Layer w0.508: U9.6@56.872,14.728 56.927,14.674 58.679,14.674 59.847,13.505 60.583,13.505 R17.1@60.811,13.277
  Bottom Layer w0.254: v1(59.663,15.213) 59.663,14.324 60.271,13.716 64.867,13.716 65.856,14.705 v1(65.886,14.705)
TXD0: U8.25 U9.22 | length 30.2
  Top Layer w0.254: U8.25@14.959,12.024 14.959,11.765 14.951,11.757 14.951,10.693 15.892,9.752 21.563,9.752 25.246,6.069 38.581,6.069 39.765,4.886 41.215,4.886 U9.22@41.372,4.728
VDDUSB: C1.2 C22.1 C24.1 D1.2 D16.2 IC1.8 J2.1 J6.1 JP1.3 LS1.1 U8.8 U10.3 | length 163
  Top Layer w0.254: J6.1@13.435,20.674 13.445,20.685 13.679,20.685 16.459,17.904 U8.8@16.459,17.102
  Top Layer w0.508: J2.1@8.555,15.834 8.559,15.83 9.126,15.83 10.533,17.237 10.533,22.068 10.523,22.078 10.523,22.368 D16.2@10.185,22.706 ; D16.2@9.777,23.062 9.829,23.062 D16.2@10.185,22.706 ; D16.2@10.175,22.696 D16.2@10.185,22.706 ; C22.1@10.387,27.075 10.406,27.056 C22.1@10.476,26.986 ; D16.2@10.406,22.927 D16.2@10.185,22.706 ; C24.1@12.938,26.997 12.927,26.986 12.927,24.639 13.435,24.131 v1(13.435,24.103) J6.1@13.435,20.928 ; U10.3@15.948,26.997 U10.3@15.975,27.024 ; LS1.1@57.377,49.757 67.31,39.824 67.31,35.179 67.918,34.571 v1(67.918,33.247) 67.918,32.612 68.766,31.765 69.644,31.765 D1.2@69.685,31.723
  Top Layer w0.762: D16.2@10.406,22.927 C22.1@10.406,27.056 ; C22.1@10.476,26.986 C24.1@12.927,26.986 ; C24.1@12.938,26.997 U10.3@15.948,26.997
  Bottom Layer w0.381: LS1.1@57.377,49.757 60.935,46.085 ccw(c61.209,46.35) 61.209,45.969 67.643,45.969 C1.2@67.791,46.117 67.961,45.947 70.133,45.947 IC1.8@70.266,46.081 73.004,46.081 75.284,48.36 75.284,54.71 81.761,61.187 JP1.3@96.62,61.187
  Bottom Layer w0.508: v1(13.435,24.103) 58.774,24.103 v1@67.899,33.228
pads on no net: BT1.0 FD4.1 FD5.1 FD6.1 IC2.15 IC3.9 J2.H1 J2.H2 MH1.1 MH2.1 MH3.1 MH4.1 U8.9 U8.10 U8.12 U8.13 U8.14 U8.15 U8.16 U8.17 U8.18 U8.19 U8.20 U8.21 U8.22 X1.0

## Polygon pours and split planes (outlines as drawn)
GND on Bottom Layer "GND_L02_P004" (solid, remove dead copper, pour order 4): 0.1,0.1 99.922,0.1 99.922,65.886 99.899,65.863 9.572,65.863 ccw(c9.572,64.731) 8.771,63.931 15.193,57.509 cw(c12.693,55.008) 16.229,55.008 16.229,37.828 cw(c12.528,37.828) 15.145,35.211 cw(c11.323,39.033) 11.323,33.628 8.82,33.628 cw(c8.819,36.589) 6.726,34.496 ccw(c5.14,32.91) 5.14,35.152 ccw(c5.14,30.956) 2.173,33.923 1.057,32.807 ccw(c3.367,30.497) 0.1,30.497 0.1,13.689
GND on Top Layer "GND_L01_P003" (solid, remove dead copper, pour order 3): 0.069,0.181 99.891,0.181 99.891,65.967 99.868,65.944 7.552,65.944 ccw(c7.551,65.636) 7.334,65.418 18.587,54.164 cw(c16.309,51.886) 19.531,51.886 19.531,40.824 cw(c16.839,40.824) 18.743,38.92 14.763,34.94 cw(c11.79,37.913) 11.79,33.709 7.562,33.709 6.038,35.233 3.371,35.233 0.069,31.931 0.069,13.77

## Keep-outs
Keep-Out Layer:
  lines w0.2: 25.056,0.1 0.1,0.1 0.1,88.492 99.922,88.492 99.922,0.1 74.713,0.1 61.187,0.1 ; 25.119,0.1 37.714,0.1 ccw(c37.714,0.968) 38.327,0.354 ccw(c38.02,0.661) 38.454,0.661 38.454,2.842 cw(c38.888,2.842) 38.581,3.148 cw(c38.888,2.842) 38.888,3.275 58.691,3.275 ; 58.757,3.269 cw(c58.757,2.836) 59.064,3.142 cw(c58.757,2.836) 59.191,2.836 59.191,0.655 ccw(c59.624,0.655) 59.318,0.348 ccw(c59.931,0.962) 59.931,0.094 61.278,0.094 ccw(c61.278,0.115) 61.292,0.1

## Other copper
Top Layer:
  region net P_GND: 4.291,69.823 4.291,69.95 cw(c4.545,69.95) 4.545,70.204 6.45,70.204 cw(c6.45,69.95) 6.704,69.95 6.704,68.299 cw(c6.196,68.299) 6.196,67.791 4.799,67.791 cw(c4.799,68.299) 4.291,68.299
  region net +12: 1.855,81.345 3.218,82.232 3.148,78.078 3.148,54.075 2.767,53.694 1.116,53.694 cw(c1.116,54.329) 0.481,54.329 0.481,79.338 cw(c2.403,79.338) 1.225,80.856
  region net +12: 6.069,53.694 ccw(c6.069,54.329) 6.704,54.329 6.704,57.123 ccw(c6.196,57.123) 6.196,57.631 3.783,57.631 cw(c3.783,58.139) 3.275,58.157 ccw(c1.475,57.891) 3.088,58.735 ccw(c3.64,58.698) 3.106,58.551 ccw(c3.046,58.542) 3.088,58.587 ccw(c2.782,58.012) 2.132,58.012 2.132,54.075 ccw(c2.513,54.075) 2.513,53.694
  region net NetD17_1: 16.991,51.281 ccw(c16.991,52.297) 18.007,52.297 ccw(c16.991,52.297) 16.991,53.313 14.705,53.313 cw(c14.705,54.71) 13.308,54.71 13.308,57.377 ccw(c12.8,57.377) 12.8,57.885 10.514,57.885 ccw(c10.514,57.504) 10.133,57.504 10.133,53.186 ccw(c11.149,53.186) 10.451,52.448 11.427,51.525 ccw(c12.038,52.17) 12.038,51.281 14.07,51.281
  region net NetF1_1: 14.324,40.74 ccw(c14.324,41.121) 14.705,41.121 14.705,43.661 cw(c16.991,43.661) 16.991,45.947 ccw(c16.991,46.963) 18.007,46.963 18.007,48.995 ccw(c17.372,48.995) 17.372,49.63 13.308,49.63 ccw(c13.308,47.725) 11.403,47.725 11.403,40.994 ccw(c11.657,40.994) 11.657,40.74 11.784,40.74
  region net 3V3: 58.012,18.134 ccw(c58.012,18.388) 58.266,18.388 58.266,19.785 ccw(c58.139,19.785) 58.139,19.912 55.726,19.912 ccw(c55.726,19.658) 55.472,19.658 55.472,18.388 ccw(c55.726,18.388) 55.726,18.134 55.98,18.134
Bottom Layer:
  region net P_GND: 12.673,36.295 ccw(c12.673,36.676) 13.054,36.676 13.054,38.835 12.546,39.343 11.022,39.343 9.625,40.74 9.625,57.123 4.291,62.457 4.291,70.077 0.989,70.077 0.608,69.696 0.608,59.663 3.021,57.25 3.783,56.488 5.307,54.964 5.307,38.835 7.757,36.385 ccw(c7.974,36.602) 7.974,36.295
  region net P_GND: 3.758,66.877 5.127,68.247 5.074,68.299 3.402,68.299

## Silkscreen, mask and mechanical layers (free items; w line width, h text height)
Top Overlay:
  drawing of 578 lines, arcs and shapes, not listed
  text "PB9" at 84.682,51.046 h1.52
  text "PA11" at 91.753,49.942 h1.52
  text "PA12" at 84.682,48.479 h1.52
  text "PA2" at 84.682,45.911 h1.52
  text "PA1" at 84.682,43.344 h1.52
  text "3.3" at 66.053,42.518 h1.8
  text "3.3V" at 76.3,41.273 h2.03
  text "PA0" at 84.682,40.759 h1.52
  text "SWDO" at 63.285,40.021 h1.8
  text "12VDC" at 15.721,39.724 h2.03
  text "CLK" at 65.101,37.523 h1.8
  text "PROGRAM" at 73.234,35.787 h1.52 r90
  text "GND" at 64.743,35.025 h1.8
  text "PB12" at 91.753,33.247 h1.52
  text "VBAT" at 55.091,32.612 h2.03
  text "KEY" at 90.397,30.58 h1.3
  text "RESULT" at 88.162,28.394 h1.3
  text "USER" at 89.562,26.207 h1.3
  text "+5V" at 0.465,24.317 h2.03
  text "STATE" at 88.863,24.02 h1.3
  text "BUTTON" at 87.912,21.833 h1.3
  text "VDD" at 14.578,20.42 h2.03
  text "RESET" at 89.635,17.118 h1.3 r90
  text "SEND" at 67.565,16.587 h1.3
  text "RESULT" at 67.565,15.317 h1.3
  text "BOOT" at 29.818,13.308 h1.52 r90
  text "I" at 21.944,12.419 h10
  text "Button" at 75.792,11.657 h1.52
  text ".Print_Date" at 21.69,6.323 h1.52
  text "Design by Thuan & Hieu" at 19.785,4.452 h1.52
  text "RESET" at 60.679,1.37 h1.52
Bottom Overlay:
  region: 11.276,29.056 8.276,29.056 8.276,28.056 11.276,28.056
  region: 11.315,28.705 11.315,35.205 ccw(c10.315,35.205) 10.315,36.205 9.315,36.205 ccw(c9.315,35.205) 8.315,35.205 8.315,28.705 8.915,28.705 8.915,35.305 10.715,35.305 10.715,28.705
  region: 11.355,28.704 11.355,22.204 cw(c10.355,22.204) 10.355,21.204 9.355,21.204 cw(c9.355,22.204) 8.355,22.204 8.355,28.704 8.955,28.704 8.955,22.104 10.755,22.104 10.755,28.704
  lines w0.5: 9.293,21.197 10.293,21.197 ; 9.315,21.205 cw(c9.315,22.205) 8.315,22.205 8.315,35.205 cw(c9.315,35.205) 9.315,36.205 10.315,36.205 cw(c10.315,35.205) 11.315,35.205 11.315,22.205 cw(c10.315,22.205) 10.315,21.205
  text "GND" at 8.819,29.004 h2.5 r270
  text "5V" at 8.819,22.004 h2.5 r270
  text "E" at 49.955,7.513 h18

## Text inside footprints (layer, text, board x,y; h text height)
D17: Mechanical 2 "A" at 13.282,56.326 h1 r180; Mechanical 2 "K" at 4.782,56.326 h1 r180
JP1: Mechanical 2 "1" at 97.12,56.017 h1 r90; Mechanical 2 "4" at 97.12,63.317 h1 r90
JP2: Mechanical 2 "4" at 96.337,12.3 h1; Mechanical 2 "1" at 89.037,12.3 h1
JP4: Mechanical 1 "8" at 29.6,42.764 h1 r180; Mechanical 1 "CN?" at 38.15,42.214 h0.8 r180; Mechanical 1 "1" at 47.2,42.664 h1 r180
LS1: Mechanical 2 "2" at 56.777,42.437 h1.2 r270; Mechanical 2 "1" at 56.877,49.957 h1.2 r270
U9: Mechanical 13 "ANTENNA / KEEP-OUT" at 55.07,1.318 h1.5 r180; Top Overlay "ANTENNA" at 53.372,6.178 h1 r180
U10: Mechanical 1 "IN" at 19.775,26.564 h1; Mechanical 1 "GND" at 19.775,31.664 h1; Mechanical 1 "OUT" at 19.775,29.064 h1